# KiCad board ben-eater-computer.kicad_pcb (continued)
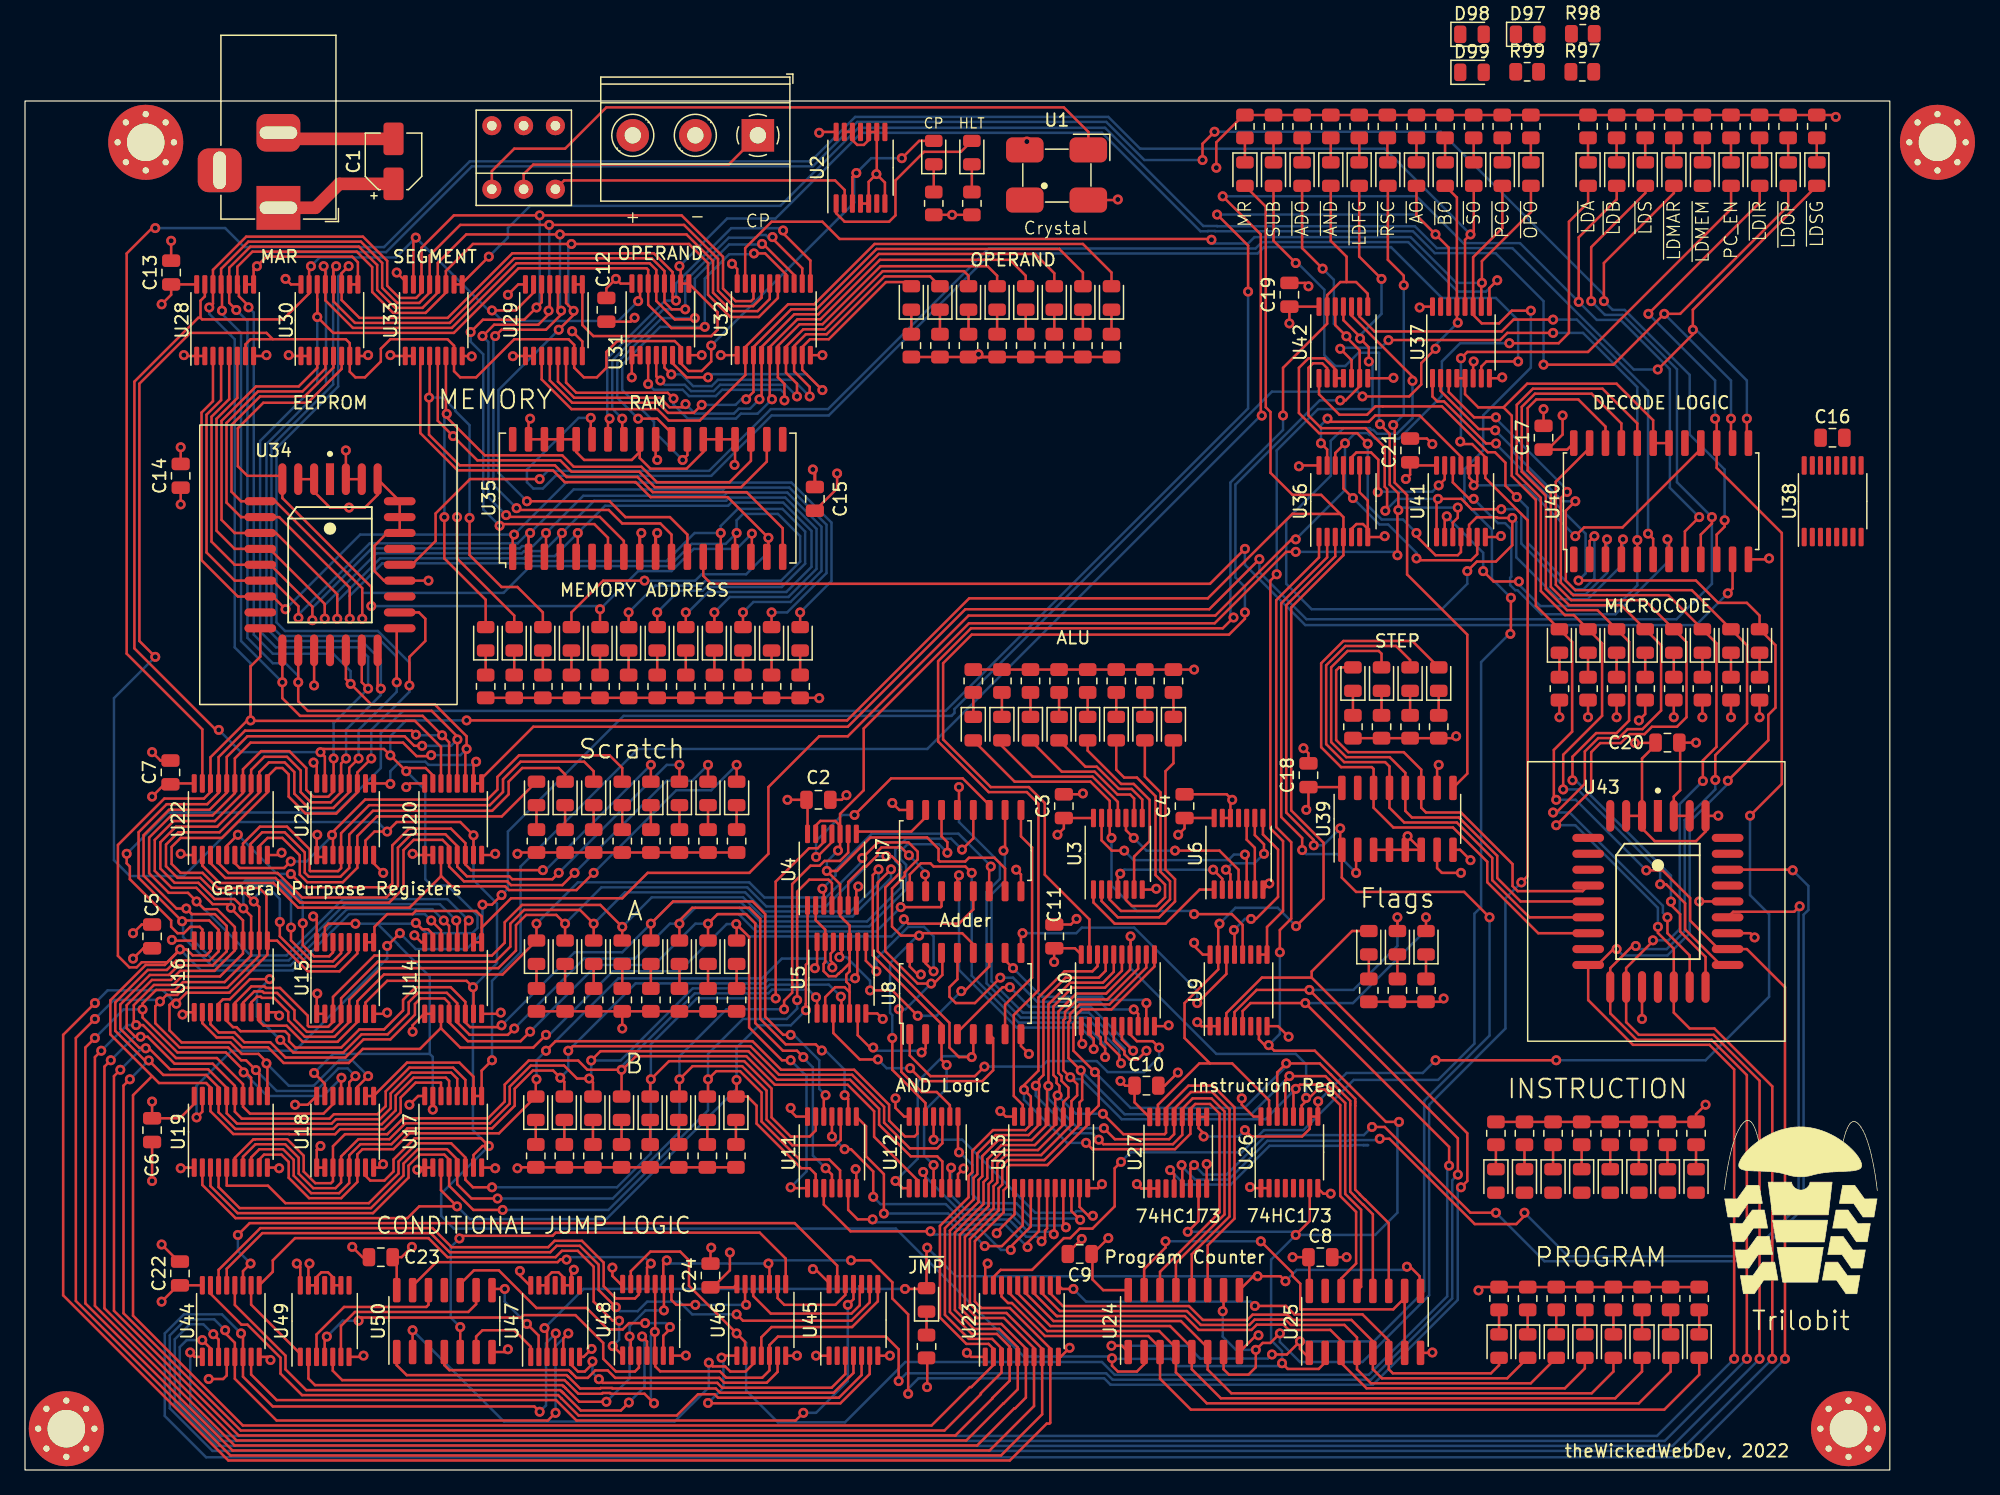
[diagram p0: board, top side]
## Routing (per net, layer and track width the routed paths; a pad name or vN(x,y) marks a point on that pad's centre or on a via; arc(x,y) is an arc through that point) (continued)
BUS4: length 405.8
  Top w0.2: U21.14 24.62,54.21 24.25,53.84 23.05,53.84 22.49,54.4 22.49,56.13 21.13,57.48 18.87,57.48 17.43,56.04 U22.14 17.43,54.14 15.18,51.89 11.88,51.89 10.37,50.38 10.37,47.91 11.73,46.55 13.7,46.55 15,45.25 16.22,45.25 16.26,45.21 ; U25.14 105.23,15.31 106.43,16.51 106.43,20.64 105.16,21.91 105.16,29.18 103.92,30.42 103.34,30.42 102.07,29.14 U26.11 ; 16.26,45.21 16.26,45.12 17.43,43.95 U16.14 17.43,41.3 15.59,39.46 12.51,39.46 11.84,38.79 10.31,38.79 8.7,37.17 8.7,35.76 v1(8.88,35.58) 9.44,35.58 12.07,32.94 15.34,32.94 17.43,30.85 17.43,29.05 17.98,28.5 23.86,28.5 24.62,29.25 U18.14 ; 16.26,45.21 16.46,45.01 v1(16.46,44.96) ; U15.14 24.62,41.39 24.31,41.08 23.1,41.08 22.21,41.97 v1(22.21,43.72) ; v1(88.39,42.67) 88.39,41.26 ; U10.14 88.35,40.01 86.44,38.1 84.07,38.1 84,38.03 83.99,38.03 82.62,36.66 82.62,31.75 82.87,31.5 82.87,31.12 83.42,30.57 83.42,29.83 83.02,29.42 U13.14 83.02,27.61 80.99,25.58 78.24,25.58 77.34,24.68 77.34,23.16 77.04,22.86 77.04,21.1 74.75,18.81 74.75,12.97 76.03,11.68 78.06,11.68 80.02,9.72 U23.6 80.02,5.79 79.17,4.94 79.11,4.94 76.13,1.96 16.75,1.96 5.59,13.12 5.59,33.02 v1(6.1,33.53) ; v1(27.43,62.48) 26.92,62.99 U34.19 ; v1(23.37,92.2) 23.37,93.61 23.36,93.62 ; U30.14 23.36,93.62 ; 23.36,93.62 23.36,92.21 24.64,90.93 34.29,90.93 39.46,96.1 49.7,96.1 49.83,95.97 U31.14 49.83,93.18 51.68,91.32 54.25,91.32 v1(54.35,91.42) ; v1(52.58,80.77) 52.96,81.15 U35.25 ; U32.14 60.84,95.62 59.18,97.29 v1(58.28,97.29) ; 24.67,54.95 v1(24.67,56.9)
  Bottom w0.2: v1(23.37,92.2) 23.37,86.87 18.8,82.3 18.8,67.06 20.07,65.79 26.67,65.79 27.43,65.02 v1(27.43,62.48) 24.67,59.72 v1(24.67,56.9) ; v1(16.46,44.96) 16.46,45.98 17.61,47.14 20.49,47.14 22.21,45.41 v1(22.21,43.72) ; v1(102.43,29.76) 102.43,32.44 101.6,33.27 95.25,33.27 88.39,40.13 v1(88.39,42.67) ; v1(52.58,80.77) 50.29,83.06 50.29,83.82 47.75,86.36 47.75,88.39 50.78,91.42 v1(54.35,91.42) 54.35,95.28 56.29,97.22 58.21,97.22 v1(58.28,97.29) ; v1(8.88,35.58) 8.15,35.58 v1(6.1,33.53)
BUS5: length 410.5
  Top w0.2: v1(5.59,34.54) 4.83,33.78 4.83,13.32 16.59,1.56 77.12,1.56 80.67,5.11 U23.7 80.67,9.75 78.27,12.15 76.12,12.15 75.15,13.13 75.15,18.63 77.44,20.92 77.44,22.69 77.74,22.99 77.74,24.51 78.41,25.18 81.24,25.18 83.67,27.61 U13.13 83.67,29.5 84.12,29.96 84.12,30.86 v1(83.57,31.41) 83.02,31.96 83.02,35.98 83.15,36.11 83.15,36.63 84.16,37.63 86.54,37.63 89,40.09 U10.13 ; v1(53.55,92.12) 53.45,92.01 51.95,92.01 50.47,93.49 U31.13 50.47,95.97 49.94,96.5 39.29,96.5 34.12,91.33 26.21,91.33 24.01,93.53 U30.13 24.01,96.13 v1(23.88,96.27) ; v1(25.67,56.9) 25.27,56.5 U21.13 25.27,54.21 24.45,53.39 22.86,53.39 22.04,54.21 22.04,55.94 20.95,57.03 19.12,57.03 18.08,55.99 U22.13 18.08,54.16 15.37,51.45 12.07,51.45 10.82,50.2 10.82,48.1 11.97,46.95 13.86,46.95 15.15,45.66 16.75,45.66 17.46,44.95 v1(17.46,44.91) 18.08,44.29 U16.13 18.08,41.14 15.96,39.02 12.63,39.02 12,38.39 10.48,38.39 9.4,37.31 v1(9.4,36.83) 9.4,36.18 12.19,33.39 16.06,33.39 18.08,31.37 U19.13 ; U18.13 25.27,31.34 v1(25.3,31.36) ; v1(49.02,84.07) 50.55,84.07 51.69,82.93 ; U26.12 101.42,30.3 v1(101.6,30.48) 101.94,30.82 103.18,30.82 104.09,30.82 104.73,30.17 105.56,29.35 105.56,22.07 106.83,20.8 106.83,14.65 U25.13 ; U32.13 61.49,95.56 59.01,98.05 v1(58.93,98.05) ; U34.20 28.19,62.74 v1(28.45,62.48) ; v1(21.27,43.38) 21.27,42.35 22.94,40.68 24.62,40.68 25.27,41.33 U15.13
  Bottom w0.2: v1(25.3,31.36) 23.84,29.91 19.36,29.91 v1(17.48,31.79) ; v1(49.02,84.07) 47.35,85.74 47.35,88.56 50.91,92.12 v1(53.55,92.12) 53.55,95.27 56.29,98 58.88,98 v1(58.93,98.05) ; v1(17.46,44.91) 17.46,46.41 17.78,46.74 20.32,46.74 21.27,45.79 v1(21.27,43.38) ; v1(23.88,96.27) 24.07,96.07 24.07,86.81 19.3,82.04 19.3,67.31 20.32,66.29 26.92,66.29 28.45,64.77 v1(28.45,62.48) 28.45,61.98 25.67,59.2 v1(25.67,56.9) ; v1(5.59,34.54) 7.87,36.83 v1(9.4,36.83) ; v1(101.6,30.48) 99.17,28.05 87.69,28.05 84.48,31.26 83.72,31.26 v1(83.57,31.41)
BUS6: length 416.9
  Top w0.2: v1(59.76,98.59) 59.76,98.48 62.14,96.1 U32.12 ; v1(24.88,96.27) 24.66,96.06 U30.12 24.66,93.45 26.38,91.73 33.96,91.73 39.13,96.9 50.11,96.9 51.12,95.88 U31.12 51.12,93.4 51.71,92.82 v1(52.79,92.82) ; U19.12 18.73,31.71 v1(18.46,31.98) 17.67,32.77 17.28,32.77 16.25,33.79 12.35,33.79 10.41,35.73 10.41,37.08 11.32,37.99 12.17,37.99 12.75,38.57 16.17,38.57 18.73,41.12 U16.12 18.73,45.03 17.61,46.14 15.24,46.14 14.03,47.35 12.2,47.35 11.27,48.28 11.27,50.01 12.26,51 15.55,51 18.73,54.17 U22.12 18.73,55.81 19.5,56.58 20.76,56.58 21.53,55.81 21.53,54.08 22.67,52.94 24.65,52.94 25.92,54.21 U21.12 25.92,56.15 v1(26.67,56.9) ; U34.21 29.72,67.07 v1(29.72,62.99) ; U15.12 25.92,41.42 24.78,40.28 22.77,40.28 20.37,42.68 v1(20.37,43.83) ; v1(26.42,31.5) 25.92,31 U18.12 ; U10.12 89.65,40.18 86.7,37.23 84.32,37.23 83.55,36.46 83.55,35.94 83.42,35.81 83.42,32.94 v1(84.41,31.96) 84.52,31.84 84.52,29.6 84.32,29.4 84.32,27.61 81.49,24.78 78.57,24.78 78.14,24.35 78.14,22.83 77.84,22.53 77.84,20.76 75.55,18.47 75.55,13.3 76.29,12.55 78.47,12.55 81.32,9.7 U23.8 81.32,4.45 78.03,1.16 16.42,1.16 4.06,13.52 4.06,34.54 v1(5.59,36.07) ; U26.13 100.77,31.17 v1(101.09,31.5) 103.97,31.5 104.25,31.22 105.96,29.51 105.96,22.26 106.33,21.88 106.33,21.86 106.98,21.22 106.99,21.22 107.77,20.45 U25.12 ; v1(47.75,84.07) 47.75,82.55
  Bottom w0.2: v1(47.75,84.07) 46.95,84.87 46.95,88.72 51.05,92.82 v1(52.79,92.82) 52.79,95.06 56.27,98.55 58.43,98.55 58.65,98.76 59.23,98.76 59.45,98.55 59.72,98.55 v1(59.76,98.59) ; v1(18.29,45.47) 18.29,45.72 18.8,46.23 19.81,46.23 20.37,45.67 v1(20.37,43.83) ; v1(18.46,31.98) 20.13,30.31 23.25,30.31 25.06,32.11 25.8,32.11 v1(26.42,31.5) ; v1(5.59,36.07) 7.11,37.59 10.67,37.59 v1(10.8,37.46) ; v1(84.41,31.96) 87.92,28.45 98.04,28.45 v1(101.09,31.5) ; v1(26.67,56.9) 26.67,59.18 29.72,62.23 v1(29.72,62.99) 29.72,65.02 28.05,66.69 20.49,66.69 19.7,67.48 19.7,81.88 24.64,86.81 24.64,96.03 v1(24.88,96.27)
BUS7: length 425.2
  Top w0.2: v1(25.88,96.27) 25.31,95.71 U30.11 25.31,93.56 26.74,92.13 33.79,92.13 38.96,97.3 50.28,97.3 51.78,95.8 51.78,93.79 v1(52.05,93.52) ; U18.11 26.57,30.64 v1(27.43,31.5) ; v1(5.59,37.34) 3.05,34.8 3.05,13.97 16.26,0.76 78.74,0.76 81.69,3.71 81.9,3.71 81.97,3.78 U23.9 81.97,9.72 78.74,12.95 76.45,12.95 75.95,13.46 75.95,18.3 78.24,20.59 78.24,22.36 78.54,22.66 78.54,24.18 78.74,24.38 81.74,24.38 84.97,27.61 U13.11 85.85,29.15 85.85,31.5 v1(85.54,31.81) 83.82,33.53 83.82,35.65 83.95,35.77 83.95,36.29 84.49,36.83 86.87,36.83 90.3,40.26 U10.11 ; v1(30.73,62.74) 30.73,65.02 32,66.29 32,68.07 31.5,68.58 U34.22 ; U19.11 19.38,32.57 18.67,33.27 17.33,33.27 16.42,34.19 12.52,34.19 11.55,35.16 11.55,37.2 11.94,37.59 12.33,37.59 12.91,38.17 16.34,38.17 19.38,41.21 U16.11 20.15,42.33 22.61,39.88 25.15,39.88 26.57,41.3 U15.11 ; 106.35,29.46 106.35,29.3 ; 46.61,82.42 46.61,83.95 v1(46.74,84.07) ; U32.11 62.79,96.72 60.61,98.9 v1(60.61,99.12) ; 19.38,55.45 20.07,56.13 20.57,56.13 21.08,55.63 21.08,53.85 22.44,52.49 24.88,52.49 26.57,54.18 U21.11 26.57,55.78 v1(27.69,56.9) ; 100.12,28.26 100.12,31.79 v1(100.84,32.51) 103.52,32.51 104.42,31.62 106.35,29.68 106.35,22.42 106.73,22.05 106.73,22.03 107.14,21.62 107.16,21.62 109.04,19.74 U25.11 ; U22.11 19.38,54.18 15.74,50.55 12.44,50.55 11.72,49.83 11.72,48.47 12.44,47.75 14.19,47.75 15.4,46.54 18.74,46.54 19.3,45.97 19.3,42.4
  Bottom w0.2: v1(60.61,99.12) 60.43,99.3 56.46,99.3 52.05,94.89 v1(52.05,93.52) 51.18,93.52 46.55,88.89 46.55,84.26 v1(46.74,84.07) ; v1(12.1,37.29) 11.03,38.35 6.6,38.35 v1(5.59,37.34) ; v1(25.88,96.27) 25.04,95.43 25.04,86.65 20.1,81.71 20.1,67.78 20.79,67.09 28.21,67.09 30.73,64.57 v1(30.73,62.74) 30.73,62.23 27.69,59.18 v1(27.69,56.9) ; v1(27.43,31.5) 26.16,32.77 25.12,32.77 23.09,30.73 21.08,30.73 v1(19.3,32.51) ; v1(85.54,31.81) 88.4,28.96 97.51,28.96 100.84,32.28 v1(100.84,32.51)
CLOCK: length 417.5
  Top w0.2: U14.7 35.86,38.56 35.31,39.12 28.96,39.12 27.22,37.38 U15.7 ; v1(86.91,8.94) 86.91,8.34 87.38,7.87 88.9,7.87 89.48,8.45 U24.2 ; v1(70.1,104.9) 71.49,106.29 D1.2 ; v1(100.33,41.4) 100.33,43.18 101.24,44.09 101.24,50.2 100.04,51.4 100.04,69.56 103.46,72.98 U36.1 ; U18.7 27.22,23.53 27.61,23.14 28.73,23.14 29.46,23.88 29.46,24.84 31.15,26.52 36.47,26.52 v1(37.08,25.91) 36.58,25.91 35.86,25.19 U17.7 ; v1(10.41,65.02) 9.14,66.29 9.14,86.87 13.21,90.93 19.3,90.93 19.81,90.42 ; U20.7 v1(35.86,50.76) 34.8,51.82 29.72,51.82 v1(28.96,51.05) 27.94,51.05 27.22,50.34 U21.7 ; v1(100.5,8.54) 100.96,8.08 103.44,8.08 103.96,8.6 ; U26.7 102.72,19.91 v1(101.6,18.8) ; U9.7 98.65,34.44 99.12,33.97 v1(99.43,33.97) 99.88,33.53 103.12,33.53 108.81,27.84 v1(109.85,27.84) ; v1(66.47,103.72) 66.15,103.4 U2.3 ; v1(54.86,89.92) 54.86,88.65 54.1,87.88 53.04,87.88 52.42,88.5 U31.7 52.42,89.8 51.95,90.28 47.35,90.28 46.48,89.41 46.48,88.14 45.72,87.38 44.68,87.38 43.91,88.15 U29.7 43.91,89.97 43.46,90.42 39.12,90.42 36.07,87.38 34.8,87.38 34.3,87.87 U33.7 34.3,89.9 33.78,90.42 29.21,90.42 28.45,89.66 28.45,88.65 27.18,87.38 26.42,87.38 25.96,87.83 U30.7 25.96,90.11 25.65,90.42 18.03,90.42 17.63,90.02 U28.7 ; U27.7 93.83,19.91 v1(92.96,19.05)
  Bottom w0.2: v1(109.85,27.84) 109.73,27.71 109.73,20.57 107.95,18.8 v1(101.6,18.8) ; v1(35.86,50.76) 35.86,47.17 37.74,45.29 37.74,40.53 v1(35.81,38.61) 35.81,27.18 v1(37.08,25.91) 33.27,22.1 33.27,20.32 34.29,19.3 69.62,19.3 79.85,9.07 86.77,9.07 v1(86.91,8.94) 86.96,8.89 91.61,8.89 92.19,8.31 100.28,8.31 v1(100.5,8.54) 100.5,9.51 99.63,10.38 99.63,16.83 v1(101.6,18.8) ; v1(54.86,89.92) 66.29,101.35 66.29,103.54 v1(66.47,103.72) 67.65,104.9 v1(70.1,104.9) ; v1(99.43,33.97) 100.33,34.87 v1(100.33,41.4) ; v1(92.96,19.05) 101.35,19.05 v1(101.6,18.8) ; v1(28.96,51.05) 28.19,51.82 17.02,51.82 12.7,47.5 8.38,47.5 7.11,48.77 7.11,61.72 v1(10.41,65.02)
RESET: length 364
  Top w0.2: U26.15 99.47,29.57 96.52,32.51 94.74,32.51 ; U31.15 49.17,93.62 v1(49.02,93.47) ; v1(26.42,43.69) 24.26,43.69 23.97,43.4 U15.15 ; 105.16,76.45 101.32,76.45 94.57,69.7 75.49,69.7 65.73,59.94 v1(35.31,59.94) ; 94.74,32.51 93.89,32.51 90.58,29.2 U27.15 ; 94.74,32.51 92.71,34.54 92.71,37.34 95.4,40.03 95.4,43.59 v1(95.5,43.69) ; 14.03,92.14 14.16,92.01 20.64,92.01 22.71,94.09 U30.15 22.71,96.12 v1(22.86,96.27) ; 14.03,92.14 14.03,93.51 14.38,93.85 U28.15 ; 14.03,92.14 13.85,92.14 8.74,87.03 8.74,65.7 15.27,59.18 v1(15.49,59.18) ; v1(31.25,43.75) 31.76,43.24 32.22,43.24 32.61,42.86 U14.15 ; v1(101.63,43.49) 103.82,45.68 103.82,50.16 101.24,52.74 101.24,68.98 105.41,73.15 U36.4 105.41,76.2 103.63,77.98 101.35,77.98 99.58,79.74 99.58,84.61 99.21,84.98 99.21,101.02 D80.2 ; U33.15 31.05,98.36 v1(31.24,98.55) ; v1(32.6,28.82) 32.61,28.83 U17.15 ; U29.15 40.66,94.16 39.23,92.73 v1(37.34,92.73) ; U20.15 32.61,55.56 32.03,56.13 30.73,56.13 v1(30.48,55.88) v1(29.21,57.15) 28.7,57.66 23.88,57.66 v1(23.62,57.4) 23.97,57.05 U21.15 ; U18.15 23.97,30.89 v1(23.11,31.75)
  Bottom w0.2: v1(26.42,43.69) 31.19,43.69 v1(31.25,43.75) 32.07,42.93 35.76,42.93 36.18,43.35 36.18,44.34 33.78,46.74 32.51,46.74 32,47.24 32,54.36 v1(30.48,55.88) ; 32.36,33.27 32.36,39.46 29.83,42 29.83,42.03 28.17,43.69 ; 32.36,33.27 24.64,33.27 v1(23.11,31.75) ; 32.36,33.27 32.6,33.03 v1(32.6,28.82) ; v1(15.49,59.18) 17.27,57.4 v1(23.62,57.4) ; v1(101.63,43.49) 100.16,44.96 96.77,44.96 v1(95.5,43.69) ; v1(29.21,57.15) 29.21,58.67 30.48,59.94 v1(35.31,59.94) ; v1(49.02,93.47) 47.44,91.89 38.18,91.89 v1(37.34,92.73) 37.32,92.71 37.08,92.71 v1(31.24,98.55) 29.66,96.97 23.56,96.97 v1(22.86,96.27)
~{RESET}: length 109.7
  Top w0.2: v1(86.87,9.93) 87.71,9.93 U24.1 ; U39.1 105.28,47.37 106.43,46.23 115.06,46.23 v1(117.09,44.2) ; v1(99.7,9.24) 100.89,9.24 v1(101.94,10.28) 101.94,9.68 102.69,8.93 ; U36.3 104.76,73.07 100.84,69.14 100.84,52.58 103.04,50.38 v1(103.04,49.95) ; v1(105.16,51.31) 105.16,49.72
  Bottom w0.2: v1(86.87,9.93) 86.87,9.93 92.94,9.93 93.96,8.91 99.37,8.91 v1(99.7,9.24) ; v1(101.94,10.28) 107.84,10.28 111.87,14.31 111.87,29.52 117.09,34.74 v1(117.09,44.2) ; v1(103.04,49.95) 103.8,49.95 v1(105.16,51.31)
Net-(D1-Pad1): length 2.2
  Top w0.2: D1.1 R1.1
Net-(D2-Pad1): length 2.2
  Top w0.2: R2.1 D2.1
Net-(D3-Pad1): length 2
  Top w0.2: 75.82,62.18 D3.1
Net-(D4-Pad1): length 2
  Top w0.2: D4.1 78.11,62.18
Net-(D5-Pad1): length 2
  Top w0.2: 80.39,62.18 D5.1
Net-(D6-Pad1): length 2
  Top w0.2: D6.1 R6.1
Net-(D7-Pad1): length 2
  Top w0.2: D7.1 82.68,62.18
Net-(D8-Pad1): length 2
  Top w0.2: R8.1 D8.1
Net-(D9-Pad1): length 2
  Top w0.2: 84.96,62.18 D9.1
Net-(D10-Pad1): length 2
  Top w0.2: 112.01,41.25 112.01,39.29
Net-(D11-Pad1): length 2
  Top w0.2: D11.1 87.25,62.18
Net-(D12-Pad1): length 2
  Top w0.2: 89.53,62.18 D12.1
Net-(D13-Pad1): length 2
  Top w0.2: 91.82,62.18 D13.1
Net-(D14-Pad1): length 2
  Top w0.2: R14.1 D14.1
Net-(D15-Pad1): length 2
  Top w0.2: D15.1 R15.1
Net-(D16-Pad1): length 2
  Top w0.2: R16.1 D16.1
Net-(D17-Pad1): length 2
  Top w0.2: D17.1 R17.1
Net-(D18-Pad1): length 2
  Top w0.2: R18.1 D18.1
Net-(D19-Pad1): length 2
  Top w0.2: D19.1 R19.1
Net-(D20-Pad1): length 2
  Top w0.2: R20.1 D20.1
Net-(D21-Pad1): length 2
  Top w0.2: D21.1 R21.1
Net-(D22-Pad1): length 2
  Top w0.2: D22.1 R22.1
Net-(D23-Pad1): length 2
  Top w0.2: R23.1 D23.1
Net-(D24-Pad1): length 2
  Top w0.2: D24.1 R24.1
Net-(D25-Pad1): length 2
  Top w0.2: R25.1 D25.1
Net-(D26-Pad1): length 2
  Top w0.2: D26.1 R26.1
Net-(D27-Pad1): length 2
  Top w0.2: R27.1 D27.1
Net-(D28-Pad1): length 2
  Top w0.2: D28.1 R28.1
Net-(D29-Pad1): length 2
  Top w0.2: R29.1 D29.1
Net-(D30-Pad1): length 2
  Top w0.2: D30.1 R30.1
Net-(D31-Pad1): length 2
  Top w0.2: R31.1 D31.1
Net-(D32-Pad1): length 2
  Top w0.2: D32.1 R32.1
Net-(D33-Pad1): length 2
  Top w0.2: R33.1 D33.1
Net-(D34-Pad1): length 2
  Top w0.2: D34.1 R34.1
Net-(D35-Pad1): length 2
  Top w0.2: R35.1 D35.1
Net-(D36-Pad1): length 2
  Top w0.2: D36.1 R36.1
Net-(D37-Pad1): length 2
  Top w0.2: R37.1 D37.1
Net-(D38-Pad1): length 2
  Top w0.2: R38.1 D38.1
Net-(D39-Pad1): length 2
  Top w0.2: D39.1 R39.1
Net-(D40-Pad1): length 2
  Top w0.2: R40.1 D40.1
Net-(D41-Pad1): length 2
  Top w0.2: D41.1 R41.1
Net-(D42-Pad1): length 2
  Top w0.2: R42.1 D42.1
Net-(D43-Pad1): length 2
  Top w0.2: D43.1 R43.1
Net-(D44-Pad1): length 2
  Top w0.2: R44.1 D44.1
Net-(D45-Pad1): length 2
  Top w0.2: D45.1 R45.1
Net-(D46-Pad1): length 2
  Top w0.2: 117.6,26.13 117.6,24.17
Net-(D47-Pad1): length 2
  Top w0.2: 119.89,24.17 119.89,26.13
Net-(D48-Pad1): length 2
  Top w0.2: 122.17,26.13 122.17,24.17
Net-(D49-Pad1): length 2
  Top w0.2: 124.46,24.17 124.46,26.13
Net-(D50-Pad1): length 2
  Top w0.2: 126.75,26.13 126.75,24.17
Net-(D51-Pad1): length 2
  Top w0.2: 129.03,24.17 129.03,26.13
Net-(D52-Pad1): length 2
  Top w0.2: 131.32,26.13 131.32,24.17
Net-(D53-Pad1): length 2
  Top w0.2: 133.6,26.13 133.6,24.17
Net-(D54-Pad1): length 2
  Top w0.2: 36.83,63.54 36.83,65.5
Net-(D55-Pad1): length 2
  Top w0.2: R55.1 D55.1
Net-(D56-Pad1): length 2
  Top w0.2: 41.4,63.54 41.4,65.5
Net-(D57-Pad1): length 2
  Top w0.2: R57.1 D57.1
Net-(D58-Pad1): length 2
  Top w0.2: 45.97,63.54 45.97,65.5
Net-(D59-Pad1): length 2
  Top w0.2: R59.1 D59.1
Net-(D60-Pad1): length 2
  Top w0.2: 50.55,63.54 50.55,65.5
Net-(D61-Pad1): length 2
  Top w0.2: R61.1 D61.1
Net-(D62-Pad1): length 2
  Top w0.2: 55.12,63.54 55.12,65.5
Net-(D63-Pad1): length 2
  Top w0.2: R63.1 D63.1
Net-(D64-Pad1): length 2
  Top w0.2: 59.69,63.54 59.69,65.5
Net-(D65-Pad1): length 2
  Top w0.2: R65.1 D65.1
Net-(D66-Pad1): length 2
  Top w0.2: R66.1 D66.1
Net-(D67-Pad1): length 2
  Top w0.2: D67.1 R67.1
Net-(D68-Pad1): length 2
  Top w0.2: R68.1 D68.1
Net-(D69-Pad1): length 2
  Top w0.2: D69.1 R69.1
Net-(D70-Pad1): length 2
  Top w0.2: R70.1 D70.1
Net-(D71-Pad1): length 2
  Top w0.2: D71.1 R71.1
Net-(D72-Pad1): length 2
  Top w0.2: R72.1 D72.1
Net-(D73-Pad1): length 2
  Top w0.2: D73.1 R73.1
Net-(D74-Pad1): length 2
  Top w0.2: D74.1 R74.1
Net-(D75-Pad1): length 2
  Top w0.2: R75.1 D75.1
Net-(D76-Pad1): length 2
  Top w0.2: D76.1 R76.1
Net-(D77-Pad1): length 2
  Top w0.2: R77.1 D77.1
Net-(D78-Pad1): length 2
  Top w0.2: 108.93,106.61 108.93,104.65
Net-(D79-Pad1): length 2
  Top w0.2: 136.4,104.65 136.4,106.61
Net-(D80-Pad1): length 2
  Top w0.2: R80.1 D80.1
Net-(D81-Pad1): length 2
  Top w0.2: 131.83,104.65 131.83,106.61
Net-(D82-Pad1): length 2
  Top w0.2: 143.26,106.61 143.26,104.65
Net-(D83-Pad1): length 2
  Top w0.2: 120.4,106.61 120.4,104.65
Net-(D84-Pad1): length 2
  Top w0.2: 140.97,104.65 140.97,106.61
Net-(D85-Pad1): length 3.9
  Top w0.2: 118.11,106.61 118.11,104.65 ; 134.11,104.65 134.11,106.61
Net-(D86-Pad1): length 2
  Top w0.2: 138.68,104.65 138.68,106.61
Net-(D87-Pad1): length 2
  Top w0.2: 106.68,106.61 106.68,104.65
Net-(D88-Pad1): length 2
  Top w0.2: 104.4,104.65 104.4,106.61
Net-(D89-Pad1): length 2
  Top w0.2: 102.11,104.65 102.11,106.61
Net-(D90-Pad1): length 2
  Top w0.2: 99.82,106.61 99.82,104.65
Net-(D91-Pad1): length 2
  Top w0.2: 115.82,106.61 115.82,104.65
Net-(D92-Pad1): length 2
  Top w0.2: 129.54,104.57 R92.1
Net-(D93-Pad1): length 2
  Top w0.2: 113.54,106.61 113.54,104.65
Net-(D94-Pad1): length 2
  Top w0.2: 127.25,104.65 127.25,106.61
Net-(D95-Pad1): length 2
  Top w0.2: 111.25,104.47 111.25,106.43
Net-(D96-Pad1): length 2
  Top w0.2: 124.97,104.65 124.97,106.61
Net-(D100-Pad1): length 2
  Top w0.2: D100.1 R100.1
Net-(D101-Pad1): length 2
  Top w0.2: R101.1 D101.1
Net-(D102-Pad1): length 2
  Top w0.2: D102.1 R102.1
Net-(D103-Pad1): length 2
  Top w0.2: R103.1 D103.1
Net-(D104-Pad1): length 2
  Top w0.2: D104.1 R104.1
Net-(D105-Pad1): length 2
  Top w0.2: R105.1 D105.1
Net-(D106-Pad1): length 2
  Top w0.2: D106.1 R106.1
Net-(D107-Pad1): length 2
  Top w0.2: R107.1 D107.1
Net-(D108-Pad1): length 1.9
  Top w0.2: D108.1 R108.1
Net-(J1-Pad1): length 21.2
  Top w0.2: J1.1 56.26,104.39 40.64,104.39 39.87,103.62 SW1.3
Net-(SW1-Pad1): length 53.5
  Top w0.2: SW1.1 37.33,103.87 39.12,105.66 43.18,105.66 46.48,108.97 83.06,108.97 85.02,107.01 U1.3
Net-(SW1-Pad2): length 24.8
  Top w0.2: SW1.2 43.11,103.12 64.77,103.12 65.53,102.36 65.53,101.31
Net-(U3-Pad1): length 12.5
  Top w0.2: U6.1 93.91,46.41 91.19,43.69 87.12,43.69 85.43,45.38 U3.1
Net-(U3-Pad4): length 10.8
  Top w0.2: v1(87.57,47.69) 87.38,47.5 U3.4 ; v1(95,48.01) 95.73,47.27 U6.2
  Bottom w0.2: v1(95,48.01) 87.89,48.01 v1(87.57,47.69)
Net-(U3-Pad10): length 12.9
  Top w0.2: U3.10 88.03,51.17 v1(88.65,50.55) ; v1(91.95,49.53) 95.5,49.53 97.03,48.01 U6.4
  Bottom w0.2: v1(91.95,49.53) 89.66,49.53 v1(88.65,50.55)
Net-(U3-Pad13): length 16.9
  Top w0.2: v1(87.88,49.53) 86.89,49.53 86.08,50.35 U3.13 ; U6.5 97.68,49.07 v1(97.54,49.21)
  Bottom w0.2: v1(97.54,49.21) 96.65,49.21 96.21,48.77 88.65,48.77 v1(87.88,49.53)
Net-(U4-Pad3): length 20.1
  Top w0.2: v1(63.75,46.48) 63.87,46.37 U4.3 ; U7.6 77.09,48.13 v1(77.22,48.26)
  Bottom w0.2: v1(63.75,46.48) 64.81,47.54 64.81,47.99 67.7,50.89 74.63,50.89 77.22,48.31 v1(77.22,48.26)
Net-(U4-Pad6): length 11.7
  Top w0.2: U4.6 65.82,47.02 67.03,48.24 67.23,48.24 68.18,49.18 68.18,49.48 68.48,49.78 70.05,49.78 v1(70.67,49.16) ; v1(71.96,47.62) 72.01,47.57 U7.2
  Bottom w0.2: v1(71.96,47.62) 71.96,47.87 v1(70.67,49.16)
Net-(U4-Pad8): length 6.1
  Top w0.2: U4.8 66.65,51.05 70.87,51.05 72.01,52.2
Net-(U4-Pad11): length 20.5
  Top w0.2: U4.11 64.52,50.22 63.32,49.02 v1(63.25,49.02) ; v1(66.32,52.38) 69.25,55.31 74.97,55.31 77.09,53.19
  Bottom w0.2: v1(66.32,52.38) 65.34,52.38 63.25,50.29 v1(63.25,49.02)
Net-(U5-Pad3): length 19.3
  Top w0.2: v1(70.77,32.13) 71.8,31.1 76.54,31.1 77.41,31.97 77.41,34.53 U8.6 ; v1(68.19,32.83) 66.74,32.83 64.63,34.94 U5.3
  Bottom w0.2: v1(68.19,32.83) 68.89,32.13 v1(70.77,32.13)
Net-(U5-Pad6): length 9
  Top w0.2: U5.6 66.58,34.77 67.56,33.78 v1(67.82,33.78) ; U8.2 72.01,33.71 v1(71.69,33.39)
  Bottom w0.2: v1(67.82,33.78) 68.07,33.53 71.55,33.53 v1(71.69,33.39)
Net-(U5-Pad8): length 14.2
  Top w0.2: U5.8 67.23,40.72 v1(68.07,39.88) ; U8.15 72.01,40.51 v1(72.64,39.88)
  Bottom w0.2: v1(72.64,39.88) 72.64,42.67 71.88,43.43 70.61,43.43 68.07,40.89 v1(68.07,39.88)
Net-(U5-Pad11): length 18.4
  Top w0.2: v1(67.56,38.35) 69.34,38.35 v1(71.37,36.32) ; v1(65.11,41.01) 65.28,41.18 U5.11 ; U8.11 77.09,40.26 75.12,38.29 v1(74.86,38.29)
  Bottom w0.2: v1(71.37,36.32) 72.89,36.32 v1(74.86,38.29) ; v1(65.11,41.01) 65.67,41.01 67.56,39.12 v1(67.56,38.35)
Net-(U6-Pad3): length 8.5
  Top w0.2: v1(96.01,48.01) 96.38,47.64 U6.3 ; v1(99.06,49.28) 99.06,50.04 98.33,50.77 U6.9
  Bottom w0.2: v1(99.06,49.28) 98.3,48.51 96.52,48.51 v1(96.01,48.01)
Net-(U6-Pad10): length 6
  Top w0.2: U6.6 98.33,49.75 97.68,50.4 U6.10
Net-(U7-Pad9): length 19.2
  Top w0.2: U8.7 78.36,37.21 80.52,39.37 80.52,49.78 79.63,50.67 U7.9
Net-(U24-Pad15): length 32.7
  Top w0.2: 110.31,13.75 109.4,12.85 101.96,12.85 101.96,14.9 101.35,15.52 101.35,15.75 v1(98.81,18.29) ; U25.10 U25.7 ; v1(91.19,18.29) 91.19,17.78 89.48,16.07 U24.15
  Bottom w0.2: v1(91.19,18.29) v1(98.81,18.29)
Net-(U36-Pad2): length 34
  Top w0.2: U36.2 104.11,72.98 100.44,69.31 100.44,52.22 102.11,50.54 v1(102.11,49.58) ; v1(106.43,47.75) 106.43,49.47
  Bottom w0.2: v1(106.43,47.75) 104.92,49.25 102.44,49.25 v1(102.11,49.58)
Net-(U36-Pad10): length 12.7
  Top w0.2: U36.10 106.06,80.99 106.44,81.37 107.63,81.37 108.2,80.79 108.2,78.24 v1(108.16,78.2) ; U41.13 113.51,79.22 v1(113.03,78.74)
  Bottom w0.2: v1(113.03,78.74) 112.52,78.23 108.19,78.23 v1(108.16,78.2)
Net-(U36-Pad11): length 16.8
  Top w0.2: U36.11 105.41,78.49 v1(106.17,77.72) ; U41.6 116.11,73.24 115.62,72.75 111.4,72.75 v1(111.25,72.9)
  Bottom w0.2: v1(111.25,72.9) 111.25,73.35 108.99,75.61 108.29,75.61 v1(106.17,77.72)
Net-(U36-Pad13): length 17.2
  Top w0.2: U41.11 114.81,81.03 111.51,84.33 107.95,84.33 107.44,83.82 104.39,83.82 v1(104.14,84.07) ; U36.13 104.11,81.61 v1(103.62,82.1)
  Bottom w0.2: v1(104.14,84.07) 103.62,83.55 v1(103.62,82.1)
Net-(U40-Pad16): length 26.8
  Top w0.2: v1(123.95,74.68) 124.65,75.38 127.73,75.38 133.99,81.63 ; 115.82,78.99 115.46,79.36 U41.10 U41.9 116.11,79.02 v1(115.82,78.74) 115.82,78.99
  Bottom w0.2: v1(115.82,78.74) 119.89,78.74 v1(123.95,74.68)
Net-(U41-Pad4): length 30.6
  Top w0.2: v1(107.35,82.07) 106.51,82.91 103.47,82.91 101.85,84.53 101.85,88.14 102.62,88.9 103.89,88.9 104.76,88.03 U42.3 U42.4 ; U41.4 114.81,73.41 114.55,73.15 112.78,73.15 111.25,74.68 v1(111.25,74.93)
  Bottom w0.2: v1(111.25,74.93) 110.17,76.01 108.47,76.01 107.35,77.13 v1(107.35,82.07)
Net-(U45-Pad3): length 26.5
  Top w0.2: 65.59,9.14 65.59,7.68 64.49,6.58 55.74,6.58 55.35,6.97 46.18,6.97 v1(45.88,7.26) ; v1(45.37,8.68) 45.37,8.48 44.76,7.87 44.21,7.87 43.69,8.39 U47.6
  Bottom w0.2: v1(45.37,8.68) 45.37,7.78 v1(45.88,7.26)
Net-(U45-Pad6): length 20.9
  Top w0.2: U45.6 67.54,7.68 65.19,5.33 54.64,5.33 v1(54.61,5.36) ; v1(55.69,8.98) 55.85,9.14 56.91,9.14
  Bottom w0.2: v1(54.61,5.36) 55.84,6.59 55.84,8.84 v1(55.69,8.98)
Net-(U45-Pad8): length 13.4
  Top w0.2: U46.4 58.87,10.61 59.69,11.43 66.13,11.43 68.19,13.49 U45.8
Net-(U45-Pad10): length 12.1
  Top w0.2: U46.12 58.22,13.92 59.63,12.51 66.08,12.51 66.74,13.17 66.74,14.72 U45.10
Net-(U45-Pad12): length 7.9
  Top w0.2: 65.59,14.86 65.59,14 64.8,13.21 60.71,13.21 60.17,13.74 U46.9
Net-(U46-Pad13): length 9.1
  Top w0.2: U48.8 51.68,13.59 52.07,13.21 v1(53.59,13.21) ; v1(57.66,13.21) 57.57,13.3 U46.13
  Bottom w0.2: v1(53.59,13.21) v1(57.66,13.21)
Net-(U47-Pad1): length 7.2
  Top w0.2: U47.1 40.44,9.85 39.12,11.18 36.58,11.18 36.07,10.67 U50.6
Net-(U47-Pad2): length 7.5
  Top w0.2: v1(38.35,14.48) 37.43,14.48 ; v1(40.13,11.68) 41.06,10.75 41.06,9.07
  Bottom w0.2: v1(38.35,14.48) 38.35,13.46 v1(40.13,11.68)
Net-(U48-Pad3): length 31.1
  Top w0.2: U48.3 49.08,8.19 48.77,7.87 47.24,7.87 46.23,8.89 46.23,10.16 44,12.38 39.84,12.38 39.65,12.19 26.92,12.19 v1(26.67,11.94) ; U49.4 23.96,10.5 v1(24.13,10.67)
  Bottom w0.2: v1(26.67,11.94) 25.4,11.94 v1(24.13,10.67)

## Copper pours and planes (outline as drawn; the poured copper is in the pictures)
GND on In1.Cu: 150.11,-1.27 -1.2,-1.26 -0.95,113.81 150.11,115.06
VCC on In2.Cu: 149.63,-0.58 -1.09,-0.29 0.19,115.11 149.89,117.37

## Text on the board
F.Silkscreen: CP | HLT | Crystal | + | MR | SUB | ~{ADO} | ~{AND} | ~{LDFG} | ~{RSC} | ~{AO} | ~{BO} | ~{SO} | ~{PCO} | ~{OPO} | ~{LDA} | ~{LDB} | ~{LDS} | ~{LDMAR} | ~{LDMEM} | PC_EN | ~{LDIR} | ~{LDOP} | ~{LDSG} | - | MAR | EEPROM | General Purpose Registers | SEGMENT | MEMORY ADDRESS | RAM | OPERAND | ~{JMP} | AND Logic | Adder | ALU | Program Counter | Instruction Reg. | STEP | MICROCODE | DECODE LOGIC | theWickedWebDev, 2022 | CONDITIONAL JUMP LOGIC | MEMORY | Scratch | B | A | Flags | INSTRUCTION | PROGRAM | Trilobit
